# KiCad board litl.kicad_pcb
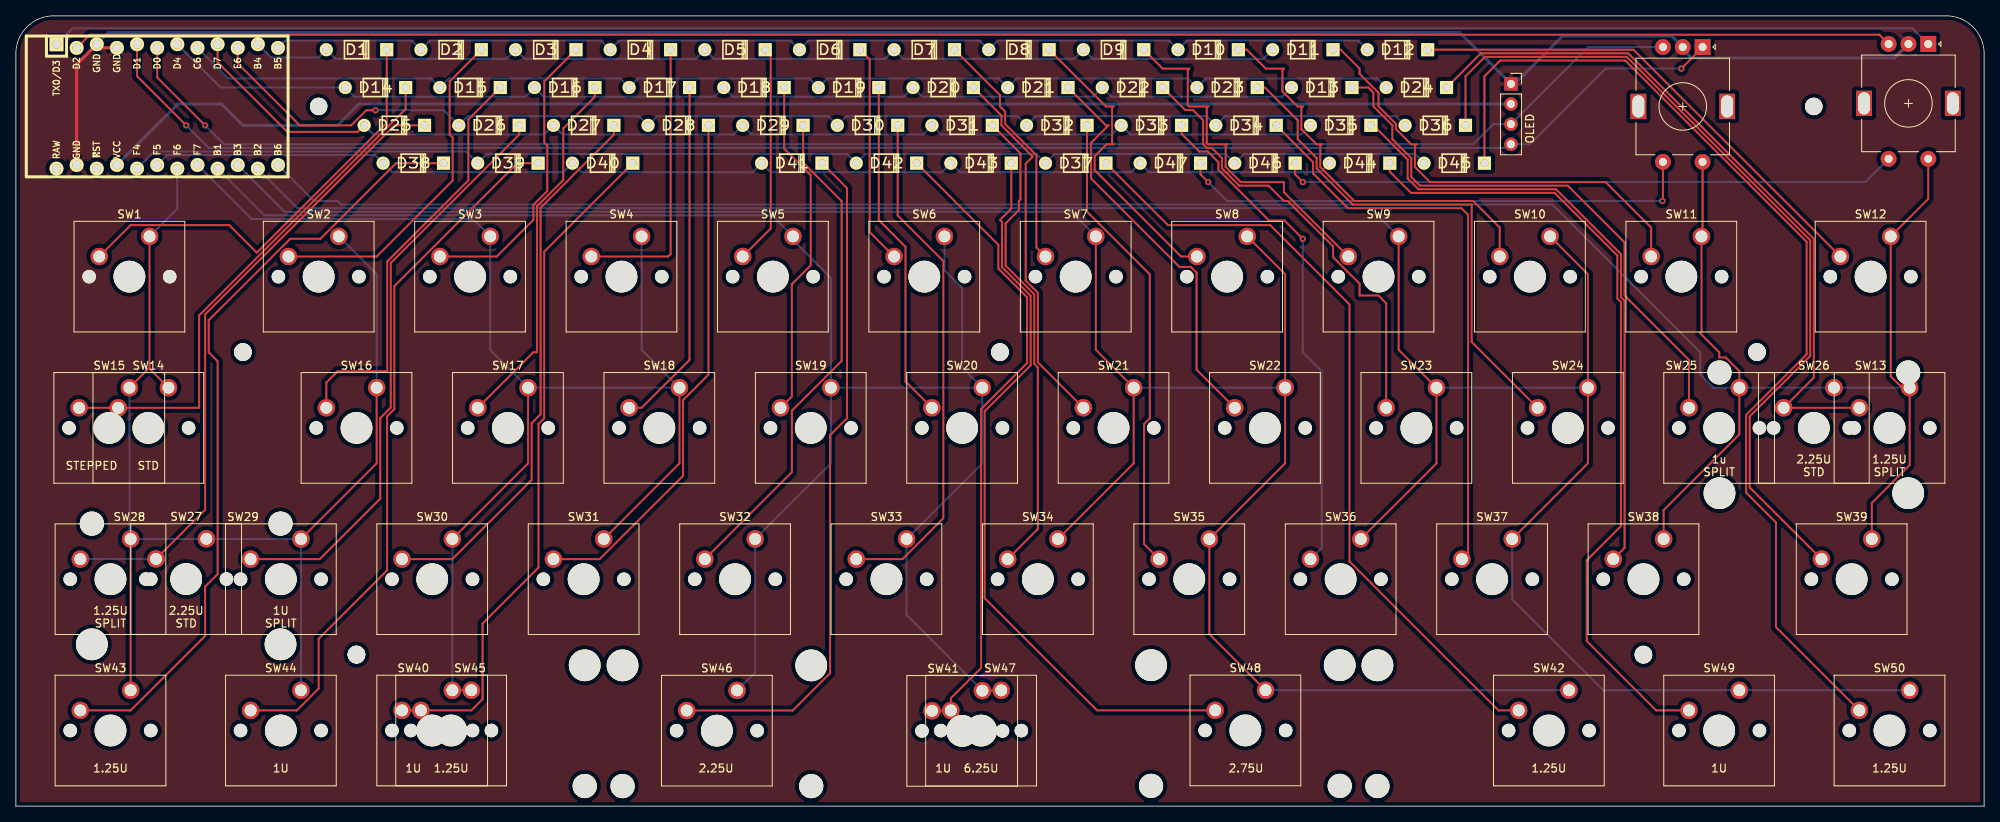
[diagram p0: board, top side]
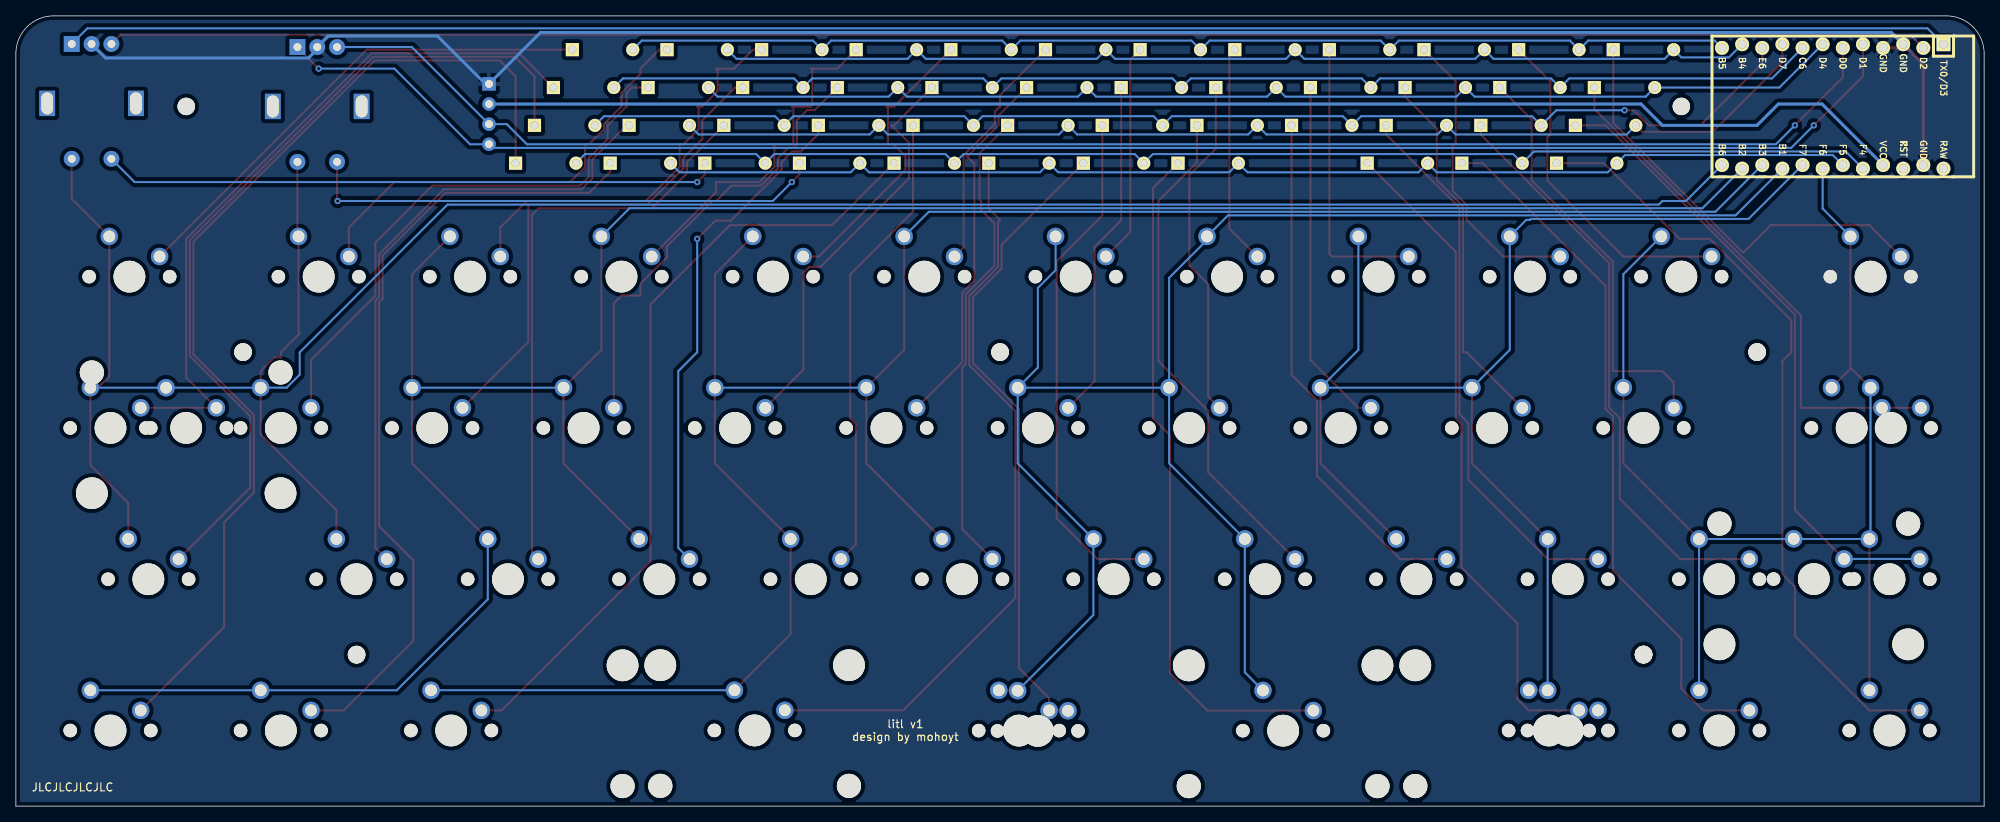
[diagram p1: board, bottom side, seen from below]

Outline 248.3 x 99.78 mm; copper layers: Top, Bottom. Coordinates in mm from the lower left corner of the outline.
Outline path: 0,95 arc(1.4,98.38) 4.77,99.78 243.52,99.78 arc(246.9,98.38) 248.3,95 248.3,0 0,0 0,95
Stack: Top 0.035mm / dielectric 1.51mm FR4 er 4.5 / Bottom 0.035mm

## Placement (name value [footprint] x y rotation side)
D1  D_Small  [Diode]  42.97 95.5 0 top
D2  D_Small  [Diode]  54.91 95.5 0 top
D3  D_Small  [Diode]  66.85 95.5 0 top
D4  D_Small  [Diode]  78.79 95.5 0 top
D5  D_Small  [Diode]  90.72 95.5 0 top
D6  D_Small  [Diode]  102.66 95.5 0 top
D7  D_Small  [Diode]  114.6 95.5 0 top
D8  D_Small  [Diode]  126.54 95.5 0 top
D9  D_Small  [Diode]  138.47 95.5 0 top
D10  D_Small  [Diode]  150.41 95.5 0 top
D11  D_Small  [Diode]  162.35 95.5 0 top
D12  D_Small  [Diode]  174.29 95.5 0 top
D13  D_Small  [Diode]  164.74 90.73 0 top
D14  D_Small  [Diode]  45.36 90.73 0 top
D15  D_Small  [Diode]  57.3 90.73 0 top
D16  D_Small  [Diode]  69.24 90.73 0 top
D17  D_Small  [Diode]  81.17 90.73 0 top
D18  D_Small  [Diode]  93.11 90.73 0 top
D19  D_Small  [Diode]  105.05 90.73 0 top
D20  D_Small  [Diode]  116.99 90.73 0 top
D21  D_Small  [Diode]  128.93 90.73 0 top
D22  D_Small  [Diode]  140.86 90.73 0 top
D23  D_Small  [Diode]  152.8 90.73 0 top
D24  D_Small  [Diode]  176.68 90.73 0 top
D25  D_Small  [Diode]  47.75 85.95 0 top
D26  D_Small  [Diode]  59.69 85.95 0 top
D27  D_Small  [Diode]  71.62 85.95 0 top
D28  D_Small  [Diode]  83.56 85.95 0 top
D29  D_Small  [Diode]  95.5 85.95 0 top
D30  D_Small  [Diode]  107.44 85.95 0 top
D31  D_Small  [Diode]  119.38 85.95 0 top
D32  D_Small  [Diode]  131.31 85.95 0 top
D33  D_Small  [Diode]  143.25 85.95 0 top
D34  D_Small  [Diode]  155.19 85.95 0 top
D35  D_Small  [Diode]  167.12 85.95 0 top
D36  D_Small  [Diode]  179.06 85.95 0 top
D37  D_Small  [Diode]  133.7 81.18 0 top
D38  D_Small  [Diode]  50.14 81.18 0 top
D39  D_Small  [Diode]  62.08 81.18 0 top
D40  D_Small  [Diode]  74.01 81.18 0 top
D41  D_Small  [Diode]  97.89 81.18 0 top
D42  D_Small  [Diode]  109.82 81.18 0 top
D43  D_Small  [Diode]  121.76 81.18 0 top
D44  D_Small  [Diode]  169.51 81.18 0 top
D45  D_Small  [Diode]  181.45 81.18 0 top
D46  D_Small  [Diode]  157.57 81.18 0 top
D47  D_Small  [Diode]  145.64 81.18 0 top
J1  Conn_01x04  [PinSocket_1x04_P2.54mm_Vertical]  188.61 91.18 0 top
NOREF  -  [unnamed]  42.96 19.15 0 top
REF**  -  [MountingHole_2.2mm_M2]  42.97 19.1 0 top
REF**#2  -  [MountingHole_2.2mm_M2]  38.2 88.34 0 top
REF**#3  -  [MountingHole_2.2mm_M2]  28.64 57.35 0 top
REF**#4  -  [MountingHole_2.2mm_M2]  42.96 19.15 0 top
REF**#5  -  [MountingHole_2.2mm_M2]  219.64 57.35 0 top
REF**#6  -  [MountingHole_2.2mm_M2]  124.15 57.3 0 top
REF**#7  -  [MountingHole_2.2mm_M2]  205.32 19.1 0 top
REF**#8  -  [MountingHole_2.2mm_M2]  28.65 57.3 0 top
REF**#9  -  [MountingHole_2.2mm_M2]  205.31 19.15 0 top
REF**#10  -  [MountingHole_2.2mm_M2]  219.65 57.3 0 top
REF**#11  -  [MountingHole_2.2mm_M2]  124.14 57.35 0 top
REF**#12  -  [MountingHole_2.2mm_M2]  226.81 88.34 0 top
SW1  KEYSW  [SW_Cherry_MX_1.50u_PCB]  16.87 71.93 0 top
SW2  KEYSW  [SW_Cherry_MX_1.00u_PCB]  40.74 71.93 0 top
SW3  KEYSW  [SW_Cherry_MX_1.00u_PCB]  59.84 71.93 0 top
SW4  KEYSW  [SW_Cherry_MX_1.00u_PCB]  78.94 71.93 0 top
SW5  KEYSW  [SW_Cherry_MX_1.00u_PCB]  98.04 71.93 0 top
SW6  KEYSW  [SW_Cherry_MX_1.00u_PCB]  117.14 71.93 0 top
SW7  KEYSW  [SW_Cherry_MX_1.00u_PCB]  136.24 71.93 0 top
SW8  KEYSW  [SW_Cherry_MX_1.00u_PCB]  155.34 71.93 0 top
SW9  KEYSW  [SW_Cherry_MX_1.00u_PCB]  174.44 71.93 0 top
SW10  KEYSW  [SW_Cherry_MX_1.00u_PCB]  193.54 71.93 0 top
SW11  KEYSW  [SW_Cherry_MX_1.00u_PCB]  212.64 71.93 0 top
SW12  KEYSW  [SW_Cherry_MX_1.50u_PCB]  236.51 71.93 0 top
SW13  KEYSW  [SW_Cherry_MX_1.25u_PCB]  238.9 52.83 0 top
SW14  KEYSW  [SW_Cherry_MX_1.75u_PCB]  19.25 52.83 0 top
SW15  KEYSW  [SW_Cherry_MX_1.00u_PCB]  14.33 52.83 0 top
SW16  KEYSW  [SW_Cherry_MX_1.00u_PCB]  45.52 52.83 0 top
SW17  KEYSW  [SW_Cherry_MX_1.00u_PCB]  64.61 52.83 0 top
SW18  KEYSW  [SW_Cherry_MX_1.00u_PCB]  83.72 52.83 0 top
SW19  KEYSW  [SW_Cherry_MX_1.00u_PCB]  102.81 52.83 0 top
SW20  KEYSW  [SW_Cherry_MX_1.00u_PCB]  121.91 52.83 0 top
SW21  KEYSW  [SW_Cherry_MX_1.00u_PCB]  141.01 52.83 0 top
SW22  KEYSW  [SW_Cherry_MX_1.00u_PCB]  160.12 52.83 0 top
SW23  KEYSW  [SW_Cherry_MX_1.00u_PCB]  179.22 52.83 0 top
SW24  KEYSW  [SW_Cherry_MX_1.00u_PCB]  198.31 52.83 0 top
SW25  KEYSW  [SW_Cherry_MX_1.00u_PCB]  217.41 52.83 0 top
SW26  KEYSW  [SW_Cherry_MX_2.25u_PCB]  229.35 52.83 0 top
SW27  KEYSW  [SW_Cherry_MX_2.25u_PCB]  24.03 33.75 0 top
SW28  KEYSW  [SW_Cherry_MX_1.25u_PCB]  14.48 33.73 0 top
SW29  KEYSW  [SW_Cherry_MX_1.00u_PCB]  35.97 33.73 0 top
SW30  KEYSW  [SW_Cherry_MX_1.00u_PCB]  55.06 33.73 0 top
SW31  KEYSW  [SW_Cherry_MX_1.00u_PCB]  74.17 33.73 0 top
SW32  KEYSW  [SW_Cherry_MX_1.00u_PCB]  93.27 33.73 0 top
SW33  KEYSW  [SW_Cherry_MX_1.00u_PCB]  112.37 33.73 0 top
SW34  KEYSW  [SW_Cherry_MX_1.00u_PCB]  131.47 33.73 0 top
SW35  KEYSW  [SW_Cherry_MX_1.00u_PCB]  150.56 33.73 0 top
SW36  KEYSW  [SW_Cherry_MX_1.00u_PCB]  169.66 33.73 0 top
SW37  KEYSW  [SW_Cherry_MX_1.00u_PCB]  188.76 33.73 0 top
SW38  KEYSW  [SW_Cherry_MX_1.00u_PCB]  207.87 33.73 0 top
SW39  KEYSW  [SW_Cherry_MX_1.75u_PCB]  234.13 33.73 0 top
SW40  KEYSW  [SW_Cherry_MX_1.00u_PCB]  55.06 14.63 0 top
SW41  KEYSW  [SW_Cherry_MX_1.00u_PCB]  121.93 14.58 0 top
SW42  KEYSW  [SW_Cherry_MX_1.25u_PCB]  195.93 14.63 0 top
SW43  KEYSW  [SW_Cherry_MX_1.25u_PCB]  14.48 14.63 0 top
SW44  KEYSW  [SW_Cherry_MX_1.00u_PCB]  35.97 14.63 0 top
SW45  KEYSW  [SW_Cherry_MX_1.25u_PCB]  57.45 14.63 0 top
SW46  KEYSW  [SW_Cherry_MX_2.25u_PCB#2]  90.97 15.12 0 top
SW47  KEYSW  [SW_Cherry_MX_6.25u_PCB]  124.3 15.13 0 top
SW48  KEYSW  [SW_Cherry_MX_2.75u_PCB]  157.65 15.15 0 top
SW49  KEYSW  [SW_Cherry_MX_1.00u_PCB]  217.41 14.63 0 top
SW50  KEYSW  [SW_Cherry_MX_1.25u_PCB]  238.9 14.63 0 top
SW51  RotaryEncoder_Switch  [RotaryEncoder_EC11]  238.75 88.72 270 top
SW53  RotaryEncoder_Switch  [RotaryEncoder_EC11]  210.28 88.34 270 top
U1  ProMicro  [ArduinoProMicro-ZigZag]  19.1 88.34 0 bottom

## Footprints (pads in the part's own frame, mm; a bottom-side part is the same pattern mirrored in y, then rotated)
ArduinoProMicro-ZigZag
  rect 1.753x1.753 hole 1.092: 1(-13.97,-7.849)
  round 1.753 hole 1.092: 2(-11.43,-7.391) 3(-8.89,-7.849) 4(-6.35,-7.391) 5(-3.81,-7.849) 6(-1.27,-7.391) 7(1.27,-7.849) 8(3.81,-7.391) 9(6.35,-7.849) 10(8.89,-7.391) 11(11.43,-7.849) 12(13.97,-7.391) 13(13.97,7.391) 14(11.43,7.849) 15(8.89,7.391) 16(6.35,7.849) 17(3.81,7.391) 18(1.27,7.849) 19(-1.27,7.391) 20(-3.81,7.849) 21(-6.35,7.391) 22(-8.89,7.849) 23(-11.43,7.391) 24(-13.97,7.849)
Diode
  round 1.651 hole 0.991: 1(-3.81,0)
  rect 1.651x1.651 hole 0.991: 2(3.81,0)
MountingHole_2.2mm_M2
  round 2.2 hole 2.2 unplated: (0,0)
PinSocket_1x04_P2.54mm_Vertical
  rect 1.7x1.7 hole 1: 1(0,0)
  oval 1.7x1.7 hole 1: 2(0,-2.54) 3(0,-5.08) 4(0,-7.62)
RotaryEncoder_EC11
  rect 3.2x2 hole 2.8x1.5 unplated: (0,5.6) (0,-5.6)
  rect 2x2 hole 1: A(-7.5,2.5)
  round 2 hole 1: B(-7.5,-2.5) C(-7.5,0) S1(7,-2.5) S2(7,2.5)
SW_Cherry_MX_1.00u_PCB
  round 1.7 hole 1.7 unplated: (-7.62,-5.08) (2.54,-5.08)
  round 4 hole 4 unplated: (-2.54,-5.08)
  round 2.2 hole 1.5: 1(0,0) 2(-6.35,-2.54)
SW_Cherry_MX_1.25u_PCB
  round 1.7 hole 1.7 unplated: (-7.62,-5.08) (2.54,-5.08)
  round 4 hole 4 unplated: (-2.54,-5.08)
  round 2.2 hole 1.5: 1(0,0) 2(-6.35,-2.54)
SW_Cherry_MX_1.50u_PCB
  round 1.7 hole 1.7 unplated: (-7.62,-5.08) (2.54,-5.08)
  round 4 hole 4 unplated: (-2.54,-5.08)
  round 2.2 hole 1.5: 1(0,0) 2(-6.35,-2.54)
SW_Cherry_MX_1.75u_PCB
  round 1.7 hole 1.7 unplated: (-7.62,-5.08) (2.54,-5.08)
  round 4 hole 4 unplated: (-2.54,-5.08)
  round 2.2 hole 1.5: 1(0,0) 2(-6.35,-2.54)
SW_Cherry_MX_2.25u_PCB
  round 3.05 hole 3.05 unplated: (-14.44,1.92) (9.36,1.92)
  round 4 hole 4 unplated: (-14.44,-13.32) (-2.54,-5.08) (9.36,-13.32)
  round 1.7 hole 1.7 unplated: (-7.62,-5.08) (2.54,-5.08)
  round 2.2 hole 1.5: 1(0,0) 2(-6.35,-2.54)
SW_Cherry_MX_2.25u_PCB#2
  round 4 hole 4 unplated: (-14.44,2.652) (-2.54,-5.588) (9.36,2.652)
  round 3.05 hole 3.05 unplated: (-14.44,-12.588) (9.36,-12.588)
  round 1.7 hole 1.7 unplated: (-7.62,-5.588) (2.54,-5.588)
  round 2.2 hole 1.5: 1(0,-0.508) 2(-6.35,-3.048)
SW_Cherry_MX_2.75u_PCB
  round 4 hole 4 unplated: (-14.44,2.652) (-2.54,-5.588) (9.36,2.652)
  round 3.05 hole 3.05 unplated: (-14.44,-12.588) (9.36,-12.588)
  round 1.7 hole 1.7 unplated: (-7.62,-5.588) (2.54,-5.588)
  round 2.2 hole 1.5: 1(0,-0.508) 2(-6.35,-3.048)
SW_Cherry_MX_6.25u_PCB
  round 4 hole 4 unplated: (-52.54,2.652) (-2.54,-5.588) (47.46,2.652)
  round 3.05 hole 3.05 unplated: (-52.54,-12.588) (47.46,-12.588)
  round 1.7 hole 1.7 unplated: (-7.62,-5.588) (2.54,-5.588)
  round 2.2 hole 1.5: 1(0,-0.508) 2(-6.35,-3.048)
unnamed
  round 2.2 hole 2.2 unplated: (0,0)

## Nets
GND: J1.1 SW51.C SW53.C U1.3 U1.4 U1.23
VCC: J1.2 U1.21
col0: SW1.1 SW2.1 SW14.1 SW15.1 SW16.1 SW27.1 SW28.1 SW29.1 SW43.1 SW44.1 U1.18
col1: SW3.1 SW4.1 SW17.1 SW18.1 SW30.1 SW31.1 SW40.1 SW45.1 U1.17
col2: SW5.1 SW6.1 SW19.1 SW20.1 SW32.1 SW33.1 SW41.1 SW46.1 SW47.1 U1.16
col3: SW7.1 SW8.1 SW21.1 SW22.1 SW34.1 SW35.1 SW42.1 SW48.1 U1.15
col4: SW9.1 SW10.1 SW23.1 SW24.1 SW36.1 SW37.1 SW49.1 SW50.1 U1.14
encA: SW51.A U1.1
encB: SW51.B U1.2
RotA: D46.2 SW51.S1
RotB: SW11.1 SW12.1 SW13.1 SW25.1 SW26.1 SW38.1 SW39.1 SW51.S2 SW53.S2 U1.13
RotC: D47.2 SW53.S1
rowA: D1.1 D3.1 D5.1 D7.1 D9.1 D11.1 U1.11
rowB: D2.1 D4.1 D6.1 D8.1 D10.1 D12.1 U1.12
rowC: D13.1 D14.1 D16.1 D18.1 D20.1 D22.1 U1.7
rowD: D15.1 D17.1 D19.1 D21.1 D23.1 D24.1 U1.8
rowE: D25.1 D27.1 D29.1 D31.1 D33.1 D35.1 U1.9
rowF: D26.1 D28.1 D30.1 D32.1 D34.1 D36.1 U1.10
rowG: D38.1 D40.1 D41.1 D43.1 D44.1 D47.1 U1.19
rowH: D37.1 D39.1 D42.1 D45.1 D46.1 U1.20
SCL: J1.3 SW53.B U1.6
SDA: J1.4 SW53.A U1.5
Net-(D1-Pad2): D1.2 SW1.2
Net-(D2-Pad2): D2.2 SW2.2
Net-(D3-Pad2): D3.2 SW3.2
Net-(D4-Pad2): D4.2 SW4.2
Net-(D5-Pad2): D5.2 SW5.2
Net-(D6-Pad2): D6.2 SW6.2
Net-(D7-Pad2): D7.2 SW7.2
Net-(D8-Pad2): D8.2 SW8.2
Net-(D9-Pad2): D9.2 SW9.2
Net-(D10-Pad2): D10.2 SW10.2
Net-(D11-Pad2): D11.2 SW11.2
Net-(D12-Pad2): D12.2 SW12.2
Net-(D13-Pad2): D13.2 SW25.2
Net-(D14-Pad2): D14.2 SW14.2 SW15.2
Net-(D15-Pad2): D15.2 SW16.2
Net-(D16-Pad2): D16.2 SW17.2
Net-(D17-Pad2): D17.2 SW18.2
Net-(D18-Pad2): D18.2 SW19.2
Net-(D19-Pad2): D19.2 SW20.2
Net-(D20-Pad2): D20.2 SW21.2
Net-(D21-Pad2): D21.2 SW22.2
Net-(D22-Pad2): D22.2 SW23.2
Net-(D23-Pad2): D23.2 SW24.2
Net-(D24-Pad2): D24.2 SW13.2 SW26.2
Net-(D25-Pad2): D25.2 SW27.2 SW28.2
Net-(D26-Pad2): D26.2 SW29.2
Net-(D27-Pad2): D27.2 SW30.2
Net-(D28-Pad2): D28.2 SW31.2
Net-(D29-Pad2): D29.2 SW32.2
Net-(D30-Pad2): D30.2 SW33.2
Net-(D31-Pad2): D31.2 SW34.2
Net-(D32-Pad2): D32.2 SW35.2
Net-(D33-Pad2): D33.2 SW36.2
Net-(D34-Pad2): D34.2 SW37.2
Net-(D35-Pad2): D35.2 SW38.2
Net-(D36-Pad2): D36.2 SW39.2
Net-(D37-Pad2): D37.2 SW42.2
Net-(D38-Pad2): D38.2 SW43.2
Net-(D39-Pad2): D39.2 SW44.2
Net-(D40-Pad2): D40.2 SW40.2 SW45.2
Net-(D41-Pad2): D41.2 SW46.2
Net-(D42-Pad2): D42.2 SW41.2 SW47.2
Net-(D43-Pad2): D43.2 SW48.2
Net-(D44-Pad2): D44.2 SW49.2
Net-(D45-Pad2): D45.2 SW50.2

Pads without a net: U1 22 24

## Via types
v1: diameter 0.8, hole 0.4, Top to Bottom, 8 vias

## Routing (per net, layer and track width the routed paths; a pad name or vN(x,y) marks a point on that pad's centre or on a via; arc(x,y) is an arc through that point)
GND: length 255.4
  Top w0.381: U1.4 10.67,95.73 U1.3 7.67,93.65 U1.23
  Bottom w0.381: SW51.C 236.97,94.45 211.39,94.45 210.28,95.56 SW53.C 208.89,97.23 195.12,97.23 189.07,91.18 J1.1 182.11,97.68 11.7,97.68 U1.3
VCC: length 181.3
  Bottom w0.381: U1.21 20.45,88.64 25.96,88.64 28.65,85.95 40.59,85.95 43.28,88.64 J1.2
col0: length 156.7
  Top w0.25: 16.87,55.37 16.87,55.22 SW14.1 ; 16.87,55.37 SW1.1 ; 16.87,55.37 SW15.1 ; SW29.1 45.52,43.28 SW16.1 ; SW43.1 SW28.1
  Bottom w0.25: SW2.1 45.52,67.16 SW16.1 ; SW29.1 24.05,33.73 SW27.1 24.01,33.73 SW28.1 14.34,33.87 14.34,52.82 SW15.1
  Bottom w0.254: SW1.1 20.37,75.44 20.37,80.49 ; SW44.1 SW29.1
col1: length 169.5
  Top w0.25: SW18.1 83.72,43.28 SW31.1 ; SW30.1 64.61,43.28 SW17.1 ; SW40.1 SW45.1
  Bottom w0.25: SW30.1 SW40.1 ; SW17.1 SW18.1
  Bottom w0.254: 22.91,80.95 29.72,74.13 57.18,74.13 57.3,74.01 57.76,74.01 SW3.1 59.84,57.61 SW17.1 ; SW18.1 78.94,57.61 SW4.1
col2: length 229.2
  Top w0.25: SW41.1 124.26,14.58 SW47.1
  Bottom w0.25: SW32.1 102.81,43.28 SW19.1 SW20.1 ; SW20.1 119.38,55.37 119.38,65.42 117.14,67.66 SW6.1 ; SW20.1 121.91,43.28 SW33.1 112.37,24.14 SW41.1
  Bottom w0.254: U1.16 31.35,74.59 95.38,74.59 SW5.1 98.04,71.78 97.89,71.62 102.81,66.7 SW19.1 ; SW46.1 93.27,16.9 SW32.1
col3: length 279.7
  Top w0.25: SW34.1 141.01,43.28 SW21.1 136.24,57.61 SW7.1 ; SW48.1 150.56,21.72 SW35.1 160.12,43.28 SW22.1 160.12,67.16 SW8.1
  Bottom w0.25: SW42.1 195.92,14.64 SW48.1 ; SW21.1 SW22.1
  Bottom w0.254: SW7.1 133.13,75.04 33.9,75.04 U1.15
col4: length 317.3
  Top w0.25: SW9.1 174.44,57.61 SW23.1 179.22,43.28 SW36.1 ; SW10.1 198.31,67.16 SW24.1 198.31,43.28 SW37.1
  Bottom w0.25: SW50.1 SW49.1 200.25,14.63 188.76,26.11 SW37.1 ; SW23.1 SW24.1
  Bottom w0.254: U1.14 35.53,75.49 170.88,75.49 SW9.1
encA: length 237.8
  Bottom w0.254: SW51.A 239.27,98.2 7.14,98.2 5.13,96.19
encB: length 229.8
  Top w0.254: SW51.B 235.08,97.39 9.33,97.39 U1.2
RotA: length 77.9
  Top w0.254: D46.2 161.38,79.75 v1(162.35,78.79)
  Bottom w0.254: v1(162.35,78.79) 233.31,78.79 SW51.S1
RotB: length 326.8
  Top w0.25: SW53.S2 212.78,72.07 SW11.1 212.64,59.84 212.49,59.69 214.88,57.3 214.88,56.65 215.7,56.65 217.41,54.93 SW25.1 217.41,46.93 207.87,37.38 SW38.1 ; SW39.1 234.13,38.28 238.9,43.06 SW13.1 237.95,52.83 236.51,54.26 SW12.1 241.25,76.67 SW51.S2
  Bottom w0.25: SW13.1 SW26.1 SW25.1
  Bottom w0.254: U1.13 37.62,76.4 40.59,76.4 41.04,75.95 193.84,75.95 212.49,57.3 212.49,54.49 214.14,52.83 SW25.1
RotC: length 66
  Top w0.254: v1(150.41,78.79) 149.45,79.75 D47.2 ; v1(207.71,76.4) 207.78,76.47 SW53.S1
  Bottom w0.254: v1(150.41,78.79) 152.8,76.4 v1(207.71,76.4)
rowA: length 133.9
  Bottom w0.254: U1.11 32.19,94.53 38.19,94.53 D1.1 40.32,94.35 61.89,94.35 63.04,95.5 64.19,94.35 85.76,94.35 D5.1 88.07,94.35 109.64,94.35 D7.1 111.94,94.35 133.51,94.35 D9.1 135.82,94.35 157.39,94.35 D11.1
rowB: length 143
  Bottom w0.254: U1.12 33.99,96.65 49.95,96.65 D2.1 52.25,96.65 73.83,96.65 D4.1 76.13,96.65 97.7,96.65 D6.1 100,96.65 121.58,96.65 D8.1 123.88,96.65 145.45,96.65 D10.1 147.75,96.65 169.33,96.65 D12.1
rowC: length 147.6
  Bottom w0.254: D13.1 159.78,89.57 138.2,89.57 D22.1 135.9,89.57 114.33,89.57 D20.1 112.03,89.57 90.45,89.57 D18.1 88.15,89.57 66.58,89.57 D16.1 64.28,89.57 42.7,89.57 D14.1 25.83,90.73 20.37,96.19
rowD: length 156.8
  Bottom w0.254: D24.1 171.71,91.88 150.14,91.88 D23.1 147.84,91.88 126.27,91.88 D21.1 123.96,91.88 102.39,91.88 D19.1 100.09,91.88 78.52,91.88 D17.1 76.21,91.88 54.64,91.88 D15.1 52.34,91.88 26.76,91.88 22.91,95.73
rowE: length 148.9
  Top w0.254: U1.9 25.45,93.93 34.25,85.12 43.11,85.12 D25.1
  Bottom w0.254: D35.1 162.16,84.8 140.59,84.8 D33.1 138.29,84.8 116.72,84.8 D31.1 114.41,84.8 92.84,84.8 D29.1 90.54,84.8 68.97,84.8 D27.1 66.66,84.8 45.09,84.8 D25.1
rowF: length 158.8
  Top w0.254: v1(45.36,87.85) 44.21,87.85 42.31,85.95 35.81,85.95 27.99,93.77 U1.10
  Bottom w0.254: v1(45.36,87.85) 53.97,87.85 D26.1 57.03,87.1 78.6,87.1 D28.1 80.9,87.1 102.48,87.1 D30.1 104.78,87.1 126.35,87.1 D32.1 128.65,87.1 150.23,87.1 D34.1 152.53,87.1 174.1,87.1 D36.1
rowG: length 153.6
  Bottom w0.254: U1.19 19.09,82.2 45.3,82.2 D38.1 47.48,80.02 69.05,80.02 D40.1 71.35,80.02 92.93,80.02 D41.1 95.23,80.02 116.8,80.02 D43.1 119.1,80.02 140.68,80.02 D47.1 142.98,80.02 164.55,80.02 D44.1
rowH: length 167.7
  Bottom w0.254: U1.20 17.46,82.66 56.78,82.66 D39.1 59.42,82.33 104.86,82.33 D42.1 107.17,82.33 128.74,82.33 D37.1 131.04,82.33 152.61,82.33 D46.1 154.92,82.33 176.49,82.33 D45.1
SCL: length 202.3
  Top w0.254: v1(23.88,85.95) 17.83,92 U1.6
  Bottom w0.254: SW53.B 198.35,95.84 J1.3 186.38,86.1 183.84,83.56 26.26,83.56 v1(23.88,85.95)
SDA: length 210.6
  Top w0.254: v1(21.49,85.95) 15.29,92.15 U1.5 ; SW53.A 212.78,95.79 v1(210.1,93.11)
  Bottom w0.254: v1(210.1,93.11) 200.55,93.11 191,83.56 J1.4 188.16,83.11 24.33,83.11 v1(21.49,85.95)
Net-(D1-Pad2): length 55.4
  Top w0.254: SW1.2 14.48,73.36 26.92,73.36 30.4,69.88 46.78,86.27 D1.2
Net-(D2-Pad2): length 43
  Top w0.254: D2.2 54.73,91.5 54.73,84.8 55.1,84.42 55.1,78.97 45.52,69.39 SW2.2
Net-(D3-Pad2): length 37.7
  Top w0.254: 53.49,69.39 60.66,69.39 65.29,74.01 65.29,75.91 67.04,77.66 67.04,83.38 66.66,83.75 66.66,91.5 D3.2
Net-(D4-Pad2): length 35.9
  Top w0.254: D4.2 82.6,69.7 82.29,69.39 SW4.2
Net-(D5-Pad2): length 27.9
  Top w0.254: D5.2 95.23,94.81 95.23,72.93 91.69,69.39
Net-(D6-Pad2): length 27.9
  Top w0.254: D6.2 107.71,94.26 107.71,72.47 SW6.2
Net-(D7-Pad2): length 30.9
  Top w0.254: 129.89,69.39 128.74,70.54 128.74,82.19 124.79,86.14 124.79,87.7 124.15,88.34 124.15,89.76 D7.2
Net-(D8-Pad2): length 38.2
  Top w0.254: D8.2 137.51,88.34 138.47,88.34 138.29,88.15 138.29,83.75 138.47,83.56 137.59,83.56 136.09,82.06 136.09,80.29 146.99,69.39 SW8.2
Net-(D9-Pad2): length 45.2
  Top w0.254: D9.2 144.67,93.11 148.03,93.11 147.84,92.93 147.84,88.52 148.03,88.34 150.41,88.34 150.23,88.15 150.23,83.75 150.41,83.56 152.8,83.56 152.61,83.38 152.61,80.7 154.52,78.79 159.96,78.79 159.96,77.52 SW9.2
Net-(D10-Pad2): length 51.8
  Top w0.254: SW10.2 187.19,73.05 183.84,76.4 168.85,76.4 164.55,80.7 164.55,83.38 164.74,83.56 164.07,83.56 162.16,85.47 162.16,88.15 162.35,88.34 161.69,88.34 159.78,90.25 159.78,92.93 159.96,93.11 157.69,93.11 155.3,95.5 D10.2
Net-(D11-Pad2): length 56.8
  Top w0.254: D11.2 167.12,95.5 169.51,93.11 169.51,92.45 171.9,90.06 171.9,88.34 174.1,86.14 174.1,85.47 176.01,83.56 176.68,83.56 176.49,83.38 176.49,80.7 178.4,78.79 200.55,78.79 206.29,73.05 SW11.2
Net-(D12-Pad2): length 62.9
  Top w0.254: D12.2 204.06,95.5 SW12.2
Net-(D13-Pad2): length 70.2
  Top w0.254: SW25.2 211.06,56.34 202.94,64.46 202.94,71.17 195.78,78.33 177.13,78.33 176.03,79.43 176.03,81.82 173.65,84.2 173.65,85.95 171.25,88.35 171.25,90.07 170.59,90.73 D13.2
Net-(D14-Pad2): length 66.4
  Top w0.254: D14.2 49.17,88.01 23.12,61.96 23.12,50.29 SW14.2 SW15.2
Net-(D15-Pad2): length 53.2
  Top w0.254: SW16.2 39.16,53.49 40.59,54.91 46.84,54.91 46.84,68.77 57.08,79 57.08,86.7 D15.2
Net-(D16-Pad2): length 46.8
  Top w0.254: SW17.2 65.28,57.3 65.74,57.3 65.74,75.72 69.05,79.04 69.05,85.56 73.05,89.55 D16.2
Net-(D17-Pad2): length 44.5
  Top w0.254: D17.2 84.98,56.34 78.94,50.29 SW18.2
Net-(D18-Pad2): length 43.4
  Top w0.254: D18.2 96.92,83 100.28,79.65 100.28,68.28 97.89,65.89 97.89,51.71 SW19.2
Net-(D19-Pad2): length 43.2
  Top w0.254: D19.2 108.86,73.98 112.22,70.62 112.22,53.63 SW20.2
Net-(D20-Pad2): length 46.9
  Top w0.254: SW21.2 128.93,56.03 128.93,64.81 127.39,66.34 127.39,81.11 128.28,82 124.34,85.95 124.34,87.19 D20.2
Net-(D21-Pad2): length 52
  Top w0.254: D21.2 137.51,85.95 137.83,85.95 135.63,83.75 135.63,79.24 146.8,68.08 148.23,68.08 148.95,67.36 148.95,55.11 SW22.2
Net-(D22-Pad2): length 56.9
  Top w0.254: D22.2 147.51,87.88 148.48,87.88 149.77,86.59 149.77,83.56 150.22,83.11 150.87,83.11 152.16,81.82 152.16,80.51 154.34,78.33 158.03,78.33 159.96,76.4 160.44,76.4 166.17,70.67 166.17,69.29 169.51,65.95 169.51,64.46 171.9,64.46 172.87,63.5 SW23.2
Net-(D23-Pad2): length 64.4
  Top w0.254: SW24.2 183.65,58.61 183.65,75.95 168.66,75.95 164.1,80.51 164.1,81.82 161.71,84.2 161.71,86.59 157.57,90.73 D23.2
Net-(D24-Pad2): length 90.3
  Top w0.254: SW13.2 SW26.2 226.81,54.1 226.81,71.62 203.39,95.05 184.81,95.05 D24.2
Net-(D25-Pad2): length 80.6
  Top w0.254: D25.2 47.75,85.95 23.88,62.08 23.88,37.41 SW27.2
  Bottom w0.254: SW27.2 8.15,31.21 SW28.2
Net-(D26-Pad2): length 73.9
  Top w0.254: SW29.2 38.34,31.19 45.97,38.81 45.97,49 47.3,50.33 47.3,68.58 63.5,84.78 D26.2
Net-(D27-Pad2): length 69.5
  Top w0.254: SW30.2 55.06,31.19 65.07,41.19 65.07,48.35 66.19,49.48 66.19,75.54 75.44,84.78 D27.2
Net-(D28-Pad2): length 66.3
  Top w0.254: D28.2 87.37,54.47 84.17,51.26 84.17,41.71 73.64,31.19 SW31.2
Net-(D29-Pad2): length 63.9
  Top w0.254: SW32.2 97.89,42.17 97.89,49.92 104.17,56.2 104.17,76.4 99.31,81.26 D29.2
Net-(D30-Pad2): length 65.1
  Top w0.254: D30.2 111.25,74.56 117,68.81 117,36.35 111.84,31.19 SW33.2
Net-(D31-Pad2): length 60.3
  Top w0.254: SW34.2 128.93,35 128.93,55.39 128.47,55.84 128.47,64.62 124.85,68.24 124.85,73.57 126.54,75.26 126.54,76.4 126.72,76.59 126.72,82.41 D31.2
Net-(D32-Pad2): length 59.1
  Top w0.254: D32.2 135.12,75.06 143.05,67.14 143.05,48.98 142.33,48.26 142.33,33.08 SW35.2
Net-(D33-Pad2): length 64.4
  Top w0.254: v1(162.35,71.62) 160.05,73.93 158.1,73.93 151.71,80.32 151.71,81.3 150.35,82.66 149.28,82.66 147.06,84.87 D33.2
  Bottom w0.254: v1(162.35,71.62) 162.35,57.3 164.74,54.91 164.74,32.61 SW36.2
Net-(D34-Pad2): length 73.5
  Top w0.254: SW37.2 183.2,31.97 183.2,74.65 182.36,75.49 168.03,75.49 163.64,79.88 163.64,81.3 D34.2
Net-(D35-Pad2): length 79
  Top w0.254: SW38.2 202.94,32.61 202.94,63.82 202.48,64.27 202.48,69.69 194.29,77.88 176.94,77.88 175.58,79.24 175.58,81.63 171.26,85.95 D35.2
Net-(D36-Pad2): length 107.4
  Top w0.254: D36.2 182.87,92.15 185.32,94.59 203.2,94.59 226.36,71.44 226.36,56.85 218.73,49.22 218.73,40.24 SW39.2
Net-(D37-Pad2): length 99.7
  Top w0.254: SW42.2 187.03,12.09 170.98,28.14 170.98,28.16 168.24,30.9 168.24,63.35 158.23,73.36 145.33,73.36 D37.2
Net-(D38-Pad2): length 98.5
  Top w0.254: D38.2 47.97,81.18 38.42,71.62 34.61,71.62 24.33,61.35 24.33,57.3 25.45,56.17 25.45,29.29 23.88,27.71 23.88,21.49 14.48,12.09 SW43.2
Net-(D39-Pad2): length 89.1
  Top w0.254: SW44.2 35.44,12.09 38.2,14.85 38.2,21.14 46.83,29.77 46.83,49.22 47.75,50.14 47.75,65.67 63.26,81.18 D39.2
Net-(D40-Pad2): length 86.3
  Top w0.254: SW40.2 SW45.2 57.45,12.09 58.88,13.52 58.88,23.07 65.93,30.12 65.93,48.26 66.65,48.98 66.65,70 D40.2
Net-(D41-Pad2): length 86.6
  Top w0.254: SW46.2 98,12.07 102.71,16.79 102.71,46.84 104.85,48.98 104.85,78.03 D41.2
Net-(D42-Pad2): length 81.2
  Top w0.254: D42.2 123.95,70.86 123.95,67.86 127.56,64.25 127.56,55.94 121.76,50.14 121.76,17.45 117.95,13.64 SW47.2 115.62,12.08 SW41.2
Net-(D43-Pad2): length 94.5
  Top w0.254: SW48.2 136.38,12.1 122.22,26.26 122.22,49.85 128.02,55.65 128.02,64.43 124.4,68.05 124.4,73.76 124.15,74.01 125.57,75.44 D43.2
Net-(D44-Pad2): length 101.3
  Top w0.254: SW49.2 206.93,12.09 198.16,20.85 198.16,31.04 202.48,35.36 202.48,63.63 202.03,64.09 202.03,69.5 194.11,77.43 175.99,77.43 173.32,80.1 D44.2
Net-(D45-Pad2): length 130.2
  Top w0.254: D45.2 185.26,92.15 187.25,94.14 203.02,94.14 225.91,71.25 225.91,57.03 218.27,49.4 218.27,39.58 222.04,35.81 222.04,22.61 SW50.2

## Copper pours and planes (outline as drawn; the poured copper is in the pictures)
GND on Top: 250.69,-2.39 -7.16,-4.78 -2.39,102.66 248.3,102.66
GND on Bottom: 248.3,102.66 250.69,-2.39 -7.16,-4.78 -4.77,105.05

## Text on the board
B.Silkscreen: litl v1 / design by mohoyt | JLCJLCJLCJLC
F.Mask: litl v1
F.Silkscreen: STEPPED | 1.25U / SPLIT | 1.25U | STD | 2.25U / STD | 1U / SPLIT | 1U | 2.25U | 6.25U | 2.75U | 1u / SPLIT | OLED
